# Altium PCB 28pins_Pcb.PcbDoc (part 2 of 2)
Units mm, origin at the board's own origin, x right, y up, seen from the top; angles counter-clockwise.
Board outline 68.58 x 53.34 mm, 2 copper layers (L1, L2), stack 1.671 mm thick; 105 components, 72 nets, 323 pads, 107 vias.
Unrouted connection lines stored in the file: 3.
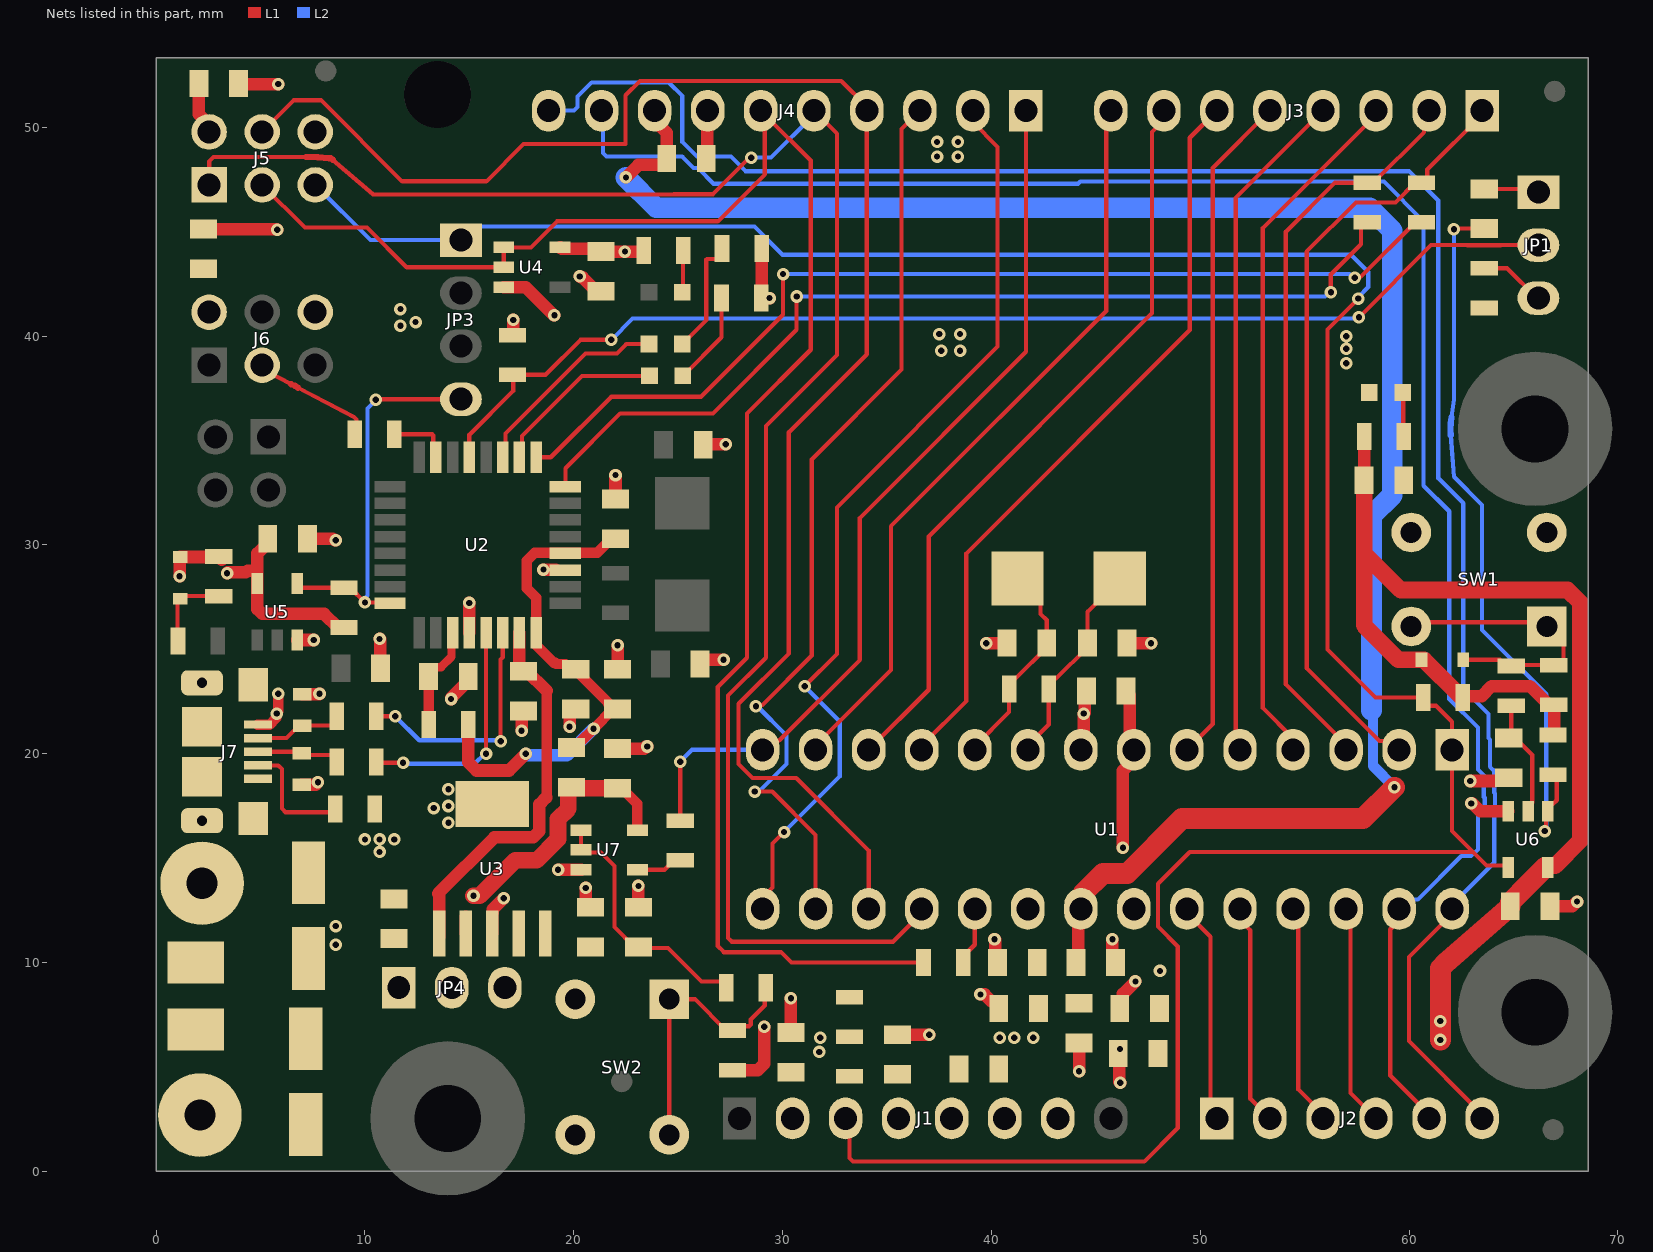
[diagram p2: the nets of this part, all layers, seen from the top]

## Via types
v1: diameter 0.6, hole 0.3, L1 to L2, tented both sides, 107 vias

## Nets (pads, with @x,y where several pads share a name; then routed paths per layer and width w, separated by ;. In a path a pad name is that pad's centre, name@x,y a point inside that pad or via, vN(x,y) a via of type N, cw(c..) or ccw(c..) an arc to the next point about the centre after c; other vN are vias at no path point) (continued)
16U2_RESETn: JP3.4 R4.1 U2.24 U5.4 | length 18.3
  L1 w0.2: U5.4@6.75,28.15 6.75,28.075 6.875,27.95 R4.1@8.439,27.95 ; R4.1@9,27.95 9.3,27.95 v1(10,27.25) 11.15,27.25 U2.24@11.2,27.2 ; v1(10.525,36.95) 10.575,36.95 10.605,36.98 JP3.4@14.6,36.98
  L2 w0.2: v1(10,27.25) 10.057,27.307 10.057,27.515 10.118,27.576 10.118,36.543 v1(10.525,36.95)
16U2_RX_LED: D4.1 U2.10 | length 8.4
  L1 w0.2: U2.10@17.4,34.2 17.525,34.325 17.525,35.225 20.4,38.1 D4.1@23.625,38.1
16U2_RXD: R11.1 U2.8 | length 46.1
  L1 w0.2: U2.8@19.6,32.8 19.6,33.675 22.225,36.3 26.669,36.3 30.675,40.306 v1(30.675,41.9) ; v1(56.26,42.103) 56.25,42.114 56.25,42.95 57.7,44.4 57.7,45.25 57.9,45.45 R11.1@58,45.45
  L2 w0.2: v1(30.675,41.9) 55.976,41.9 56.179,42.103 v1(56.26,42.103)
16U2_SCLK: J6.3 R5.2 | length 6
  L1 w0.2: J6.3@5.08,38.608 5.132,38.442 5.216,38.358 6.461,37.706 ; 6.477,37.699 6.634,37.628 ; 6.7,37.592 6.771,37.546 ; 6.795,37.532 9.48,36.126 9.6,36.006 9.6,35.8 R5.2@9.6,35.3
  L1 w0.3: 6.462,37.706 ccw(c6.6,37.972) 6.477,37.699 ; 6.634,37.628 cw(c6.428,37.172) 6.7,37.592 ; 6.771,37.546 ccw(c6.934,37.797) 6.794,37.532
16U2_SCLK_R: R5.1 U2.15 | length 2.7
  L1 w0.2: R5.1@11.5,35.3 13.224,35.3 13.275,35.249 U2.15@13.275,34.325
16U2_TX_LED: D3.1 U2.11 | length 9.8
  L1 w0.2: U2.11@16.6,34.2 16.725,34.325 16.725,35.332 20.568,39.175 22.069,39.175 22.519,39.625 D3.1@23.6,39.625
16U2_TXD: R10.1 U2.9 | length 48.3
  L1 w0.2: U2.9@18.2,34.2 18.9,34.2 21.8,37.1 26.1,37.1 30.025,41.025 v1(30.025,42.975) ; v1(57.4,42.8) 57.457,42.857 57.707,42.857 60.3,45.45 R10.1@60.6,45.45
  L2 w0.2: v1(30.025,42.975) 57.144,42.975 57.319,42.8 v1(57.4,42.8)
16U2PROG_328P_RESETn: JP1.2 R1.1 U2.13 | length 56.5
  L1 w0.2: U2.13@15,34.2 15,35.278 17.1,37.378 17.1,38.15 18.65,38.15 20.325,39.825 v1(21.8,39.825) ; v1(57.6,40.9) 61.06,44.36 62.795,44.36 62.805,44.35 64.395,44.35 64.405,44.36 JP1.2@66.2,44.36
  L2 w0.2: v1(21.8,39.825) 22.818,40.843 57.543,40.843 v1(57.6,40.9)
328P_16MHZ_XTAL1: C27.2 R16.1 U1.9 Y1.1 | length 10.1
  L1 w0.2: U1.9@41.745,20.193 41.745,20.393 42.75,21.398 R16.1@42.75,23.1 42.75,23.4 42.95,23.6 43.1,23.6 44.6,25.1 C27.2@44.6,25.3 44.6,26.8 46.15,28.35 Y1.1@46.15,28.4
328P_16MHZ_XTAL2: C25.2 R16.2 U1.10 Y1.2 | length 10.3
  L1 w0.2: U1.10@39.205,20.193 39.205,20.355 40.85,22 R16.2@40.85,23.1 40.85,23.4 41.05,23.6 41.15,23.6 42.65,25.1 C25.2@42.65,25.3 42.65,26.4 42.35,26.7 42.35,27.3 Y1.2@41.25,28.4
328P_AUTORESETn: C11.1 R18.1 U6.1 | length 35.1
  L1 w0.2: v1(62.15,45.125) 62.175,45.15 C11.1@63.6,45.15 ; v1(66.5,16.3) 66.557,16.357 66.557,17.157 U6.1@66.65,17.25 66.65,17.475 66.775,17.6 66.899,17.6 67.075,17.776 R18.1@67.075,18.95
  L2 w0.2: 62.001,35.258 62.15,33.269 63.5,31.919 63.5,25.925 66.575,22.85 66.575,16.375 v1(66.5,16.3) ; 62.03,36.129 62.15,36.973 v1(62.15,45.125)
  L2 w0.3: 62.001,35.258 cw(c66.04,35.56) 62.03,36.128
328P_BUF_RESETn: C32.2 R24.2 U6.2 | length 5.9
  L1 w0.2: R24.2@64.9,22.35 64.9,20.75 65.1,20.75 65.9,19.95 65.9,17.675 65.7,17.475 U6.2@65.7,17.025
328P_RESETn: J1.3 J5.5 JP3.1 R14.1 U1.1 U6.4 | length 134
  L1 w0.2: J1.3@33.02,2.54 33.2,2.36 33.2,0.651 33.376,0.475 47.325,0.475 48.926,2.076 48.926,10.774 47.975,11.725 47.975,13.775 49.5,15.3 63.063,15.3 ; v1(57.575,41.8) 56.1,40.325 56.1,25 58.4,22.7 R14.1@60.675,22.7 60.675,22.501 60.875,22.301 61.299,22.301 62.065,21.535 U1.1@62.065,20.193 62.065,16.298 63.063,15.3 ; U6.4@64.75,14.55 64.65,14.65 63.713,14.65 63.063,15.3
  L2 w0.2: J5.5@7.62,47.244 10.264,44.6 JP3.1@14.6,44.6 15.25,45.25 28.65,45.25 30,43.9 57.219,43.9 58.05,43.069 58.05,42.356 57.575,41.881 v1(57.575,41.8)
+3V3: C13.2 C16.2 J1.4 JP4.3 R28.2 U3.4 U3.5
+3V3_16U2_UCAP: C7.2 R26.1 U2.27 | length 5.1
  L1 w0.4: C7.2@13.05,23.7 13.05,23.9 13.3,24.15 13.65,24.15 14.148,24.648 14.148,25.748 U2.27@14.2,25.8
  L1 w0.5: R26.1@13.05,21.4 C7.2@13.05,23.7
+5V: C2.1 C6.2 C12.2 C14.2 J1.5 J8.1 JP4.1 L1.2 R27.1 U2.31 U3.1 U3.2 | length 19.3
  L1 w0.5: 18.675,17.925 18.7,17.95 18.7,23.025
  L1 w0.6: U3.1@13.56,11.25 13.56,13.252 13.506,13.306 16.2,16 18.057,16 18.35,16.293 18.35,17.575 18.675,17.9 18.675,17.925 ; U3.2@14.83,11.4 U3.2@14.83,12.2 ; U2.31@17.4,25.8 17.4,24.125 17.55,23.975 17.75,23.975 18.7,23.025
+5V/3V3: C8.2 C15.2 C17.2 C26.2 C28.2 C29.2 C30.2 C34.2 D5.1 D6.1 FB1.1 FB2.1 FB3.1 J1.2 J5.2 JP4.2 R1.2 R2.1 R3.1 R4.2 R14.2 R15.2 R17.1 R18.2 R19.2 R20.2 R21.2 R27.2 R28.1 U4.5 U5.5 U6.5 U7.5 | length 98.5
  L1 w0.5: C29.2@22.3,18.35 23.05,17.6 U7.5@23.05,16.35
  L1 w0.6: v1(1.125,28.5) 1.138,28.513 1.138,29.413 D5.1@1.15,29.425 2.975,29.425 R19.2@3,29.45 R19.2@3.15,29.3 ; C17.2@2.05,52.1 2.05,50.626 2.54,50.136 J5.2@2.54,49.784 ; v1(3.4,28.65) 3.438,28.688 4.292,28.688 4.379,28.775 4.85,28.775 ; C30.2@5.35,30.3 5.35,30.1 4.85,29.6 4.85,28.775 ; R4.2@9,26.05 8.7,26.05 8.05,26.7 5.084,26.7 4.85,26.934 U5.5@4.85,28.15 4.85,28.775 ; R1.2@17.1,40.05 v1(17.1,40.775) ; U4.5@19.35,44.25 19.425,44.175 21.175,44.175 C26.2@21.3,44.05 v1(22.45,44.05) 23.3,44.05 R15.2@23.35,44.1 ; R21.2@27.6,4.85 28.816,4.85 29.125,5.159 v1(29.125,6.925) ; R3.1@28.975,41.825 v1(29.375,41.825) ; R3.1@29,41.85 R2.1@29,44.2 ; v1(44.2,4.8) FB3.1@44.2,6.15 ; v1(46.162,5.863) 46.135,5.837 46.135,4.288 v1(46.173,4.25) ; C34.2@57.85,33.1 R17.1@57.85,35.2 ; 61.499,9.732 61.5,9.731 ; R14.2@62.625,22.756 63.474,22.756 63.959,23.241 65.784,23.241 66.579,22.446 66.579,22.417 66.621,22.375 66.95,22.375 R18.2@66.95,20.975
  L1 w0.8: v1(15.2,13.2) 15.492,13.2 16.277,13.985 16.285,13.985 17.198,14.898 18.228,14.898 19.25,15.92 19.25,16.874 19.74,17.363 19.74,18.35 C29.2@22.1,18.35 ; C34.2@57.85,33.1 57.85,29.601 ; R14.2@62.625,22.756 62.468,22.756 60.724,24.5 D6.1@60.6,24.5 59.5,24.5 57.85,26.15 57.85,29.601 ; U6.5@66.51,14.55 U6.5@66.65,14.55 66.75,14.65 67.006,14.65 68.2,15.844 68.2,27.249 67.599,27.849 59.602,27.849 57.85,29.601
  L1 w1: 61.499,9.732 61.756,9.989 C28.2@64.85,12.7 64.85,12.885 65.725,13.76 ; v1(61.5,6.3) v1(61.5,7.2) 61.5,9.731 ; 65.725,13.765 U6.5@66.51,14.55
  other v1: 31.76,5.723 31.8,6.4 11.7,40.5 12.425,40.675 11.7,41.3
+5V/3V3_16U2: C3.2 C4.2 C5.2 FB1.2 R26.2 U2.4 U2.32 | length 25.6
  L1 w0.5: FB1.2@19.85,20.275 20.05,20.275 20.3,20.525 20.3,20.55 v1(20.95,21.2) C3.2@21.9,22.15 ; C5.2@21.8,30.3 21.125,29.625 19.625,29.625 U2.4@19.6,29.6 19.575,29.625 18.126,29.625 17.75,29.249 17.75,27.928 18.2,27.478 U2.32@18.2,25.8 18.225,25.775 18.225,25.175 19.05,24.35 19.107,24.35 19.157,24.3 19.6,24.3 19.8,24.1 20,24.1 21.65,22.45 21.65,22.4 C3.2@21.9,22.15 ; C3.2@22.1,22.15 C3.2@21.9,22.15
  L1 w0.6: R26.2@14.95,21.4 14.95,19.594 15.344,19.2 16.9,19.2 v1(17.7,20)
  L2 w0.6: v1(17.7,20) 17.775,19.925 19.675,19.925 v1(20.95,21.2)
+5V/3V3_328P_AVCC: C22.2 C23.2 FB3.2 U1.20
+5V/3V3_328P_VCC: C19.2 C20.2 FB2.2 U1.7 | length 7.9
  L1 w0.6: v1(46.3,15.5) 46.3,19.197 46.825,19.722 U1.7@46.825,20.193 46.637,20.381 46.637,22.813 C20.2@46.45,23
  other v1: 48.075,9.6
+5V_USB: C1.1 J7.1 L1.1 | length 2.2
  L1 w0.5: J7.1@4.875,21.4 5.432,21.4 5.756,21.724 5.756,21.906 v1(5.775,21.925) 5.775,21.952 5.85,22.027 v1(5.85,22.875)
  other v1: 8.6,10.85 8.6,11.75
+AREF: C21.2 C24.2 J4.8 U1.21 | length 90.6
  L1 w0.6: v1(22.5,47.6) 23.1,48.2 24.35,48.2 24.45,48.3 24.45,49.75 23.9,50.3 23.9,50.776 J4.8@23.876,50.8 ; C24.2@44.05,10 44.167,10.118 U1.21@44.167,12.455
  L1 w1: U1.21@44.285,12.573 44.4,12.688 44.4,13.329 45.344,14.273 46.505,14.273 49.132,16.9 57.8,16.9 v1(59.3,18.4)
  L2 w0.5: 58.213,22.087 58.275,22.025 58.275,19.425 v1(59.3,18.4)
  L2 w1: v1(22.5,47.6) 23.95,46.15 58.1,46.15 59.2,45.05 59.2,32.4 58.2,31.4 58.2,22.1 58.213,22.087
AD0: J2.1 U1.23 | length 10.6
  L1 w0.2: U1.23@49.365,12.573 49.365,12.373 50.5,11.238 50.5,2.84 J2.1@50.8,2.54
AD1: J2.2 U1.24 | length 10.6
  L1 w0.2: U1.24@51.905,12.573 51.905,12.042 52.4,11.547 52.4,3.48 J2.2@53.34,2.54
AD2: J2.3 U1.25 | length 10.6
  L1 w0.2: U1.25@54.445,12.573 54.694,12.324 54.694,11.554 54.7,11.547 54.7,3.92 55.88,2.74 J2.3@55.88,2.54
AD3: J2.4 U1.26 | length 10.6
  L1 w0.2: U1.26@56.985,12.573 57.2,12.358 57.2,3.76 J2.4@58.42,2.54
AD4/SDA: J2.5 J4.9 U1.27 | length 90.1
  L1 w0.2: U1.27@59.525,12.573 59.525,12.021 59.1,11.596 59.1,4.6 60.96,2.74 J2.5@60.96,2.54
  L2 w0.2: J4.9@21.336,50.8 21.4,50.736 21.4,48.776 21.576,48.6 25.193,48.6 25.743,48.05 25.943,48.05 26.693,47.3 44.155,47.3 44.255,47.4 58.8,47.4 60.7,45.5 60.7,32.838 61.925,31.613 61.925,22.628 63.3,21.253 63.3,19.249 63.582,18.967 63.582,17.937 63.625,17.894 63.625,17.356 63.3,17.031 63.3,15.425 62.975,15.1 62.5,15.1 60.422,13.022 59.974,13.022 U1.27@59.525,12.573
AD5/SCL: J2.6 J4.10 U1.28 | length 95.3
  L1 w0.2: U1.28@62.065,12.573 62.065,12.335 60,10.27 60,6.24 63.5,2.74 J2.6@63.5,2.54
  L2 w0.2: J4.10@18.796,50.8 20.01,50.8 20.186,50.976 20.186,51.476 20.86,52.15 24.55,52.15 25.2,51.5 25.2,49.3 25.9,48.6 27.531,48.6 28.031,48.1 28.231,47.9 60,47.9 61.4,46.5 61.4,33.2 62.6,32 62.6,23.1 63.8,21.9 63.8,20.753 63.879,20.674 63.879,19.377 64.082,19.174 64.082,18.144 64.125,18.101 64.125,17.149 64.082,17.106 64.082,14.79 62.065,12.773 U1.28@62.065,12.573
BUTTON_RESETn: D6.2 R20.1 R24.1 SW1.1 SW1.2 | length 13.2
  L1 w0.2: SW1.2@60.9,26.3 67.4,26.3 67.4,24.45 67.2,24.25 64.6,24.25 64.35,24.5 D6.2@62.7,24.5
CON_N: R6.2 U2.30 | length 11.7
  L1 w0.2: R6.2@10.55,21.8 v1(11.45,21.8) ; v1(16.5,20.6) 16.5,24.52 16.6,24.62 U2.30@16.6,25.8
  L2 w0.2: v1(11.45,21.8) 12.6,20.65 16.45,20.65 v1(16.5,20.6)
CON_P: R7.2 U2.29 | length 11
  L1 w0.2: R7.2@10.8,19.575 v1(11.825,19.575) ; v1(15.8,20) U2.29@15.8,25.8
  L2 w0.2: v1(11.825,19.575) 11.875,19.525 15.244,19.525 15.719,20 v1(15.8,20)
CON_USB_N: J7.2 R6.1 Z1.2 | length 4.4
  L1 w0.2: J7.2@4.875,20.75 6.25,20.75 6.85,21.35 Z1.2@7,21.35 8.45,21.35 8.65,21.55 R6.1@8.65,21.8
CON_USB_P: J7.3 R7.1 Z2.2 | length 4.2
  L1 w0.2: J7.3@4.875,20.1 6.85,20.1 7,19.95 R7.1@8.45,19.95 ; R7.1@8.55,19.9 8.75,19.7 R7.1@8.75,19.45
GND: C1.2 C2.2 C3.1 C4.1 C5.1 C6.1 C7.1 C9.1 C10.1 C12.1 C13.1 C14.1 C15.1 C16.1 C17.1 C19.1 C20.1 C21.1 C22.1 C23.1 C24.1 C25.1 C26.1 C27.1 C28.1 C29.1 C30.1 C31.1 C32.1 C33.1 C34.1 D1.1 J1.6 J1.7 J4.7 J5.6 J6.6 J7.5 J7.6 J7.7 J7.8 J7.9 J7.10 J7.11 J9.1 R8.2 R12.1 SW1.3 SW1.4 SW2.3 SW2.4 U1.8 U1.22 U2.3 U2.28 U4.3 U5.3 U6.3 U7.3 Z1.1 Z2.1 | length 47.1
  L1 w0.6: C17.1@3.95,52.1 3.975,52.075 v1(5.85,52.075) ; U5.3@6.75,25.45 v1(7.55,25.45) ; Z2.1@6.975,18.525 7.635,18.525 v1(7.75,18.64) ; Z1.1@7,22.85 7.013,22.862 7.812,22.862 v1(7.825,22.875) ; C30.1@7.25,30.3 8.471,30.3 8.546,30.225 v1(8.6,30.225) ; v1(10.7,25.5) 10.725,25.475 10.725,24.125 C31.1@10.75,24.1 ; v1(14.125,22.625) 14.125,22.675 14.95,23.5 C7.1@14.95,23.7 ; U2.28@15,25.8 v1(15,27.225) ; U4.3@16.65,42.35 17.7,42.35 19.05,41 v1(19.075,41) ; v1(17.5,21.1) 17.5,22.025 C6.1@17.55,22.075 ; v1(18.55,28.825) U2.3@19.15,28.825 ; v1(19.25,14.45) U7.3@20.35,14.45 ; v1(19.8,21.3) C4.1@19.8,22.2 ; v1(20.292,42.859) 20.33,42.821 20.429,42.821 21.1,42.15 C26.1@21.3,42.15 ; v1(20.575,13.575) 20.575,12.875 C13.1@20.8,12.65 ; C5.1@22,32.2 v1(22,33.35) ; C29.1@22.1,20.25 23.371,20.25 23.471,20.35 v1(23.525,20.35) ; C3.1@22.1,24.05 v1(22.1,25.2) ; C33.1@23.1,12.65 v1(23.1,13.675) ; C10.1@26.05,24.3 26.25,24.5 v1(27.175,24.5) ; C9.1@26.2,34.8 26.225,34.825 v1(27.275,34.825) ; C21.1@26.35,48.5 26.383,48.533 26.383,50.767 J4.7@26.416,50.8 ; C15.1@30.4,6.65 v1(30.4,8.3) ; C16.1@35.5,6.55 v1(37.025,6.55) ; v1(39.475,8.475) 39.675,8.475 40,8.15 40.2,8.15 40.35,8 C22.1@40.35,7.8 ; v1(39.75,25.3) C25.1@40.75,25.3 ; v1(40.15,11.125) 40.188,11.087 40.188,10.112 C23.1@40.3,10 ; U1.8@44.285,20.193 44.425,20.333 v1(44.425,21.925) 44.463,21.963 44.463,22.913 C20.1@44.55,23 ; v1(45.8,11.125) 45.8,10.15 C24.1@45.95,10 ; C19.1@46.15,7.8 46.3,7.95 46.3,8.5 v1(46.9,9.1) ; C27.1@46.5,25.3 v1(47.65,25.3) ; v1(62.932,18.698) 64.074,18.698 64.076,18.7 64.625,18.7 C32.1@64.775,18.85 ; v1(62.975,17.625) 63.029,17.625 63.404,17.25 U6.3@64.75,17.25 ; C28.1@66.75,12.7 67.825,12.7 v1(68.05,12.925)
  other v1: 40.4,6.4 41.1,6.4 42,6.4 10.7,15.3 10,15.9 10.7,15.9 11.4,15.9 14,16.7 13.3,17.4 14,17.5 14,18.3 57,38.7 37.6,39.3 38.5,39.3 57,39.4 57,40 37.5,40.1 38.5,40.1 37.4,48.6 38.4,48.6 37.4,49.3 38.4,49.3
IO0: J3.1 R10.2 U1.2 | length 37.5
  L1 w0.2: U1.2@59.525,20.193 59.1,20.618 58.582,20.618 55.1,24.1 55.1,44.045 57.455,46.4 59.35,46.4 60.3,47.35 R10.2@60.62,47.35 ; R10.2@60.62,47.37 60.694,47.37 60.874,47.55 60.874,47.974 63.5,50.6 J3.1@63.5,50.8
IO1: J3.2 R11.2 U1.3 | length 35.7
  L1 w0.2: U1.3@56.985,20.193 56.985,20.442 54.1,23.327 54.1,45 56.45,47.35 58.3,47.35 60.711,49.761 60.711,50.551 J3.2@60.96,50.8
IO2: J3.3 U1.4 | length 33.5
  L1 w0.2: U1.4@54.445,20.193 54.445,20.745 53,22.19 53,45.18 58.42,50.6 J3.3@58.42,50.8
IO3: J3.4 U1.5 | length 32.4
  L1 w0.2: U1.5@51.905,20.193 51.7,20.398 51.7,46.62 J3.4@55.88,50.8
IO4: J3.5 U1.6 | length 32.3
  L1 w0.2: U1.6@49.365,20.193 50.6,21.428 50.6,48.06 J3.5@53.34,50.8
IO5: J3.6 U1.11 | length 36.5
  L1 w0.2: U1.11@36.665,20.193 36.665,20.393 38.8,22.528 38.8,29.6 49.5,40.3 49.5,49.5 J3.6@50.8,50.8
IO6: J3.7 U1.12 | length 36.5
  L1 w0.2: U1.12@34.125,20.193 37,23.068 37,30.4 47.7,41.1 47.7,49.774 48.26,50.334 J3.7@48.26,50.8
IO7: J3.8 U1.13 | length 36.5
  L1 w0.2: U1.13@31.585,20.193 31.585,20.393 35.2,24.008 35.2,30.9 45.5,41.2 45.5,50.58 J3.8@45.72,50.8
IO8: J4.1 R22.2 U1.14 | length 43
  L1 w0.2: R22.2@25.1,16.8 v1(25.1,19.625) ; U1.14@29.045,20.193 29.494,20.642 29.842,20.642 33.7,24.5 33.7,31.3 41.656,39.256 J4.1@41.656,50.8
  L2 w0.2: v1(25.1,19.625) 25.668,20.193 U1.14@29.045,20.193
IO9: J4.2 U1.15 | length 44.8
  L1 w0.2: U1.15@29.045,12.573 29.045,13.125 29.525,13.605 29.525,15.7 v1(30.075,16.25) ; v1(31.06,23.234) 32.6,24.774 32.6,31.8 40.3,39.5 40.3,49.064 39.116,50.248 J4.2@39.116,50.8
  L2 w0.2: v1(30.075,16.25) 32.735,18.91 32.735,21.559 v1(31.06,23.234)
MISO: J4.5 J5.1 U1.18 | length 84.9
  L1 w0.2: J5.1@2.54,47.244 2.543,47.944 2.543,48.368 2.75,48.575 7.183,48.575 ; 8.364,48.516 8.4,48.5 8.456,48.452 10.394,46.791 24.791,46.791 24.8,46.8 26.669,46.8 28.419,48.55 v1(28.5,48.55) ; J4.5@31.496,50.8 32.6,49.696 32.6,39.1 29.2,35.7 29.2,24.6 27.395,22.795 27.395,11.176 27.571,11 35.292,11 36.665,12.373 U1.18@36.665,12.573
  L1 w0.3: 7.183,48.575 cw(c7.231,37.759) 8.29,48.523 cw(c7.231,37.759) 8.364,48.516
  L2 w0.2: v1(28.5,48.55) 29.446,48.55 31.496,50.6 J4.5@31.496,50.8
MOSI: J4.4 J5.4 U1.17 | length 79.8
  L1 w0.2: J5.4@5.08,49.784 6.596,51.3 7.9,51.3 11.785,47.415 15.815,47.415 17.6,49.2 22.475,49.2 22.475,50.113 22.486,50.124 22.486,51.536 23.175,52.225 32.811,52.225 34.036,51 34.036,39.136 30.3,35.4 30.3,24.8 27.895,22.395 27.895,19.517 28.569,18.843 30.657,18.843 34.125,15.375 U1.17@34.125,12.573
NetC8_1: C8.1 J6.2 | length 3.5
  L1 w0.6: C8.1@2.275,45.125 5.775,45.125 v1(5.8,45.1)
NetC11_2: C11.2 JP1.1 | length 2.7
  L1 w0.2: C11.2@63.6,47.05 66.05,47.05 JP1.1@66.2,46.9
NetD1_2: D1.2 R17.2 | length 2.1
  L1 w0.2: D1.2@59.7,37.3 59.725,37.275 59.725,35.225 R17.2@59.75,35.2
NetD2_2: D2.2 R15.1 | length 2
  L1 w0.2: D2.2@25.2,42.1 25.225,42.125 25.225,44.075 R15.1@25.25,44.1
NetD3_2: D3.2 R2.2 | length 5.6
  L1 w0.2: D3.2@25.2,39.625 26.35,40.775 26.35,43.675 26.375,43.7 26.875,43.7 27.075,43.9 R2.2@27.075,44.2
NetD4_2: D4.2 R3.2 | length 4.5
  L1 w0.2: D4.2@25.225,38.1 27.075,39.95 R3.2@27.075,41.825
NetD5_2: D5.2 R19.1 R23.1 | length 4
  L1 w0.2: D5.2@1,27.4 1.025,27.375 1.025,25.425 R23.1@1.05,25.4 ; D5.2@1.064,27.4 1.214,27.55 R19.1@3,27.55
NetJ7_4: J7.4 R8.1 | length 5.8
  L1 w0.2: J7.4@4.882,19.443 5.849,19.443 6.025,19.267 6.025,17.376 6.201,17.2 R8.1@8.65,17.2
NetJP1_3: JP1.3 R12.2 | length 3.2
  L1 w0.2: R12.2@63.6,43.25 64.7,43.25 66.13,41.82 JP1.3@66.2,41.82
NetR22_1: R22.1 U7.4 | length 2.2
  L1 w0.2: U7.4@23.05,14.45 24.35,14.45 24.8,14.9 R22.1@25.1,14.9
NetU3_3: U3.3 U3.6 | length 1.9
  L1 w0.6: U3.3@16.1,11.4 16.1,12.376 16.112,12.388 16.112,12.547 v1(16.65,13.085)
SCK: J4.6 J5.3 R13.2 U4.1 U4.2 | length 83.8
  L1 w0.2: J5.3@5.08,47.244 7.124,45.2 10.1,45.2 12,43.3 U4.2@16.65,43.3 U4.1@16.65,44.25 17.95,44.25 19.2,45.5 26.9,45.5 29.15,47.75 J4.6@29.15,50.439 ; J4.6@28.956,50.8 29.233,50.523 31.35,48.406 31.35,39.35 28.3,36.3 28.3,24.6 26.895,23.195 26.895,10.793 27.188,10.5 29.925,10.5 30.425,10 R13.2@36.75,10
SCK_R: R13.1 U1.19 | length 2.8
  L1 w0.2: R13.1@38.65,10 38.65,10.3 39.205,10.855 U1.19@39.205,12.573
SS: J4.3 U1.16 | length 44.7
  L1 w0.2: v1(28.675,18.193) 29.507,18.193 31.585,16.115 U1.16@31.585,12.573 ; v1(28.725,22.275) 28.782,22.332 29.032,22.332 31.4,24.7 31.4,34.1 35.7,38.4 35.7,49.924 J4.3@36.576,50.8
  L2 w0.2: v1(28.675,18.193) 28.732,18.25 28.929,18.25 30.195,19.517 30.195,20.869 28.789,22.275 v1(28.725,22.275)
USER_BUTTON: R21.1 R25.1 SW2.1 SW2.2 | length 12.8
  L1 w0.2: SW2.2@24.575,1.75 SW2.1@24.575,8.25 25.8,8.25 R21.1@27.3,6.75 ; R21.1@27.6,6.75 27.8,6.95 28.387,6.95 28.475,7.038 28.475,7.276 29.149,7.95 29.149,8.651 R25.1@29.1,8.7
USER_BUTTON_BUF: C33.2 R25.2 U7.1 U7.2 | length 12.4
  L1 w0.2: U7.1@20.35,16.35 U7.2@20.35,15.4 20.475,15.275 21.3,15.275 21.95,14.625 21.95,11.7 22.9,10.75 C33.2@23.1,10.75 23.149,10.701 24.519,10.701 26.12,9.1 27.1,9.1 27.3,8.9 R25.2@27.3,8.8
pads on no net: D2.1 FID1.1 FID2.1 FID3.1 FID4.1 J1.1 J1.8 MH1.1 MH2.1 MH3.1 MH4.1 U2.5 U2.6 U2.7 U2.12 U2.14 U2.22 U2.23 U2.25 U2.26 U4.4

## Polygon pours and split planes (outlines as drawn)
GND on L2 "GND_L02_P012" (solid, pour order 12): 0.25,51.281 0.35,51.181 3.76,51.181 3.76,24.181 5.65,24.181 5.65,23.581 5.75,23.481 7.55,23.481 7.55,19.081 7.5,19.031 7.5,18.231 7.6,18.231 7.85,17.981 7.95,18.081 8.75,18.081 8.75,13.981 8.85,14.081 15.35,14.081 15.35,13.781 16.55,12.581 16.75,12.781 18.15,12.781 18.65,13.281 24.35,13.281 24.35,13.081 29.55,7.881 35.35,7.881 35.35,7.407 36.676,6.081 41.2,5.981 41.8,5.981 42.01,5.981 44.25,5.981 44.25,6.181 44.65,6.581 47.45,6.581 48.75,7.881 48.85,7.781 62.25,7.781 62.65,7.381 62.65,0.381 68.25,0.381 68.45,0.581 68.45,13.781 63.75,13.781 63.05,13.081 63.05,11.181 58.65,11.181 58.65,14.481 59.75,15.581 62.95,15.581 62.95,16.981 63.491,17.522 63.491,19.031 60.7,19.031 59.25,17.581 57.796,18.9 55.95,18.9 55.95,38.4 57.45,38.4 57.45,39.6 57.45,40.181 57.45,40.481 37.15,40.481 36.75,40.081 36.55,40.281 23.15,40.281 21.85,38.981 20.75,40.081 20.75,43.481 20.134,43.481 19.95,43.296 19.95,42.581 19.876,42.581 18.616,41.321 18.75,41.187 18.75,37.781 18.55,37.581 18.45,37.681 10.853,37.681 10.647,53.081 0.25,53.081 0.25,51.181
+5V/3V3 on L2 "+5V/3V3_L02_P009" (solid, pour order 9): 16,44.7 16,43.5 11.1,43.5 11.1,38.2 11.4,37.9 18.3,37.9 18.8,38.4 18.7,38.5 18.7,41.7 19,41.7 19.9,42.6 19.9,43.5 20.7,43.5 21,43.2 21,40.2 21.5,40.2 22.6,41.3 30,41.3 30,42.3 27.5,44.8 27.4,44.7
GND on L2 "GND_L02_P010" (solid, pour order 10): 68.3,53.1 68.3,49.2 67.4,48.3 25.6,48.3 25.6,53 25.5,53.1
+5V/3V3 on L2 "+5V/3V3_L02_P008" (solid, pour order 8): 0.2,6.4 8.853,8.841 11.12,10.1 7.9,10.1 13.2,10.1 13.2,7.8 15,7.8 15,10.4 15.1,10.5 21.6,10.5 22.7,9.4 25.8,9.4 25.8,7 27.4,5.4 36.2,5.4 37.6,4 39.8,4 39.8,0.4 62.6,0.4 62.8,0.6 62.3,1.1 62.3,7.6 48.7,7.6 47.2,6.1 47,6.3 44.5,6.3 43.9,5.7 41,5.7 36.5,6.1 36.5,6.2 34.8,7.9 29.5,7.9 24.3,13.1 18.6,13.1 18.1,12.6 16.5,12.6 15.3,13.8 9.3,13.8 9.3,10.3 8.1,10.3 8.1,11.7 6.6,13.2 6.6,17.4 5.1,18.9 5.1,51 0.2,51 0.2,7.4
+3V3 on L2 "+3V3_L02_P002" (solid, pour order 2): 15.9,7.8 19.3,7.8 22.6,4.5 25.8,4.5 26.1,4.5 28,2.7 34.7,2.7 34.7,1.6 34.8,1.5 36.4,1.5 36.4,5 27.4,5 25.3,7.1 23.5,7.1 23.5,8.1 21.325,10.275 15.9,10.275
+5V on L2 "+5V_L02_P001" (solid, pour order 1): -0.056,0.2 0.244,0.5 0.244,5.932 12.644,9.9 12.644,7.7 19.144,7.7 22.144,4.7 22.344,4.5 25.844,4.5 25.944,4.5 26.744,3.8 26.744,1.4 36.844,1.4 36.844,3.8 39.044,3.8 39.244,3.6 39.244,0.4 0.244,0.4
+5V/3V3_328P_VCC on L2 "+5V/3V3_328P_VCC_L02_P000" (solid, pour order 0): 46,15.1 46,15.794 45.935,15.859 45.976,15.9 50.7,15.9 50.7,9.2 50.5,9 50.409,9.091 47.735,9.091 47.735,13.565 46.1,15.2 45.9,15.2
+5V_USB on L2 "+5V_USB_L02_P005" (solid, pour order 5): 5.4,23.4 5.4,19.1 7,17.5 7,13.2 8.3,11.9 8.3,10.5 9,10.5 9,12.3 8.6,12.7 8.6,17.9 7.6,17.9 7.3,18.6 7.3,23.4
GND on L1 "GND_L01_P027" (solid, pour order 27): 0.4,11.4 0.5,11.5 5.6,11.5 5.6,11.6 6.5,12.5 9.2,12.5 9.2,8.2 9.1,8.1 6.1,8.1 6.1,4.7 9,4.7 9,0.5 9.1,0.4 21.2,0.4 21.2,9.4 18.8,9.4 18.8,7.5 18.7,7.4 18.6,7.5 10.5,7.5 10.5,12.4 12.6,12.4 12.6,14.5 14.6,16.5 17.9,16.5 17.9,18.7 17.8,18.8 17.7,18.7 11.6,18.7 11,18.1 9,18.1 8.1,19 7.4,19 7.4,18.1 7.5,18 7.6,18.1 9,18.1 9,16.8 8.8,16.6 5.8,16.6 5.8,19 5.7,19.1 3.9,19.1 3.9,22.4 4,22.5 5.3,22.5 5.3,24.5 5.2,24.6 5.1,24.5 0.3,24.5 0.2,24.4 0.2,11.6 0.3,11.6 0.4,11.5
GND on L1 "GND_L01_P025" (solid, pour order 25): 64.4,41.8 64.4,39.7 64.8,39.3 68.2,39.3 68.2,29.7 67.9,29.6 67.7,29.6 59.1,29.6 59.2,36.7 58.7,36.7 58.6,36.6 57.5,36.6 57.5,38.4 56.6,38.4 56.6,40.4 61.6,40.4 63,41.8 61.6,40.4 63,41.8
GND on L1 "GND_L01_P026" (solid, pour order 26): 39.078,49.8 39.235,39 36.9,39 36.9,49.8
+5V/3V3_328P_VCC on L1 "+5V/3V3_328P_VCC_L01_P024" (solid, pour order 24): 48.4,10 48.6,9.8 48.6,4.8 47.6,4.8 47.5,4.9 47.5,10 47.9,10
+5V/3V3_328P_AVCC on L1 "+5V/3V3_328P_AVCC_L01_P023" (solid, pour order 23): 41.1,13.6 41.081,13.6 42.7,13.6 42.7,9.2 43.3,8.6 45,8.6 45,7 44.9,7.1 41.7,7.1 41.7,10.7 40.8,11.6 40.8,13.6 41.3,13.6
GND on L1 "GND_L01_P022" (solid, pour order 22): 39.8,1.5 44.3,1.5 44.3,3.3 42.3,5.3 42.3,6.7 39.8,6.7
+5V on L1 "+5V_L01_P021" (solid, pour order 21): 32.5,8.7 32.5,7.8 36.7,7.8 37.7,6.8 37.7,4.2 37.6,4.2 37.3,3.9 37.3,1.5 39,1.5 39.2,1.7 38.9,2 38.9,7.8 38,8.7
+3V3 on L1 "+3V3_L01_P019" (solid, pour order 19): 36.4,1.5 36.4,5.2 32.4,5.2 32.4,4.1 34.4,4.1 34.4,1.5 34.7,1.5
+5V/3V3 on L1 "+5V/3V3_L01_P018" (solid, pour order 18): 29.7,1.5 29.7,5.3 30.9,5.3 31.4,5.8 31.4,6.9 34,6.9 34,5.9 32.8,5.9 31.4,4.5 31.4,1.5
+5V/3V3 on L1 "+5V/3V3_L01_P017" (solid, pour order 17): 1.6,40.2 3.3,40.2 3.5,40.4 3.5,42.3 8.1,42.3 8.9,41.5 8.9,40.199 13.1,40.171 13.1,42.4 10,42.4 8.5,44 8.6,44 1.6,44
+5V on L1 "+5V_L01_P016" (solid, pour order 16): 10.8,7.8 12.5,7.8 12.6,7.7 12.6,10.3 15.2,10.3 15.2,12.5 15.1,12.5 13.2,12.5 13.2,11.7 13.1,11.6 10.7,11.6 10.7,7.9
+3V3 on L1 "+3V3_L01_P015" (solid, pour order 15): 15.9,7.8 18.5,7.8 18.5,9.6 18.6,9.6 18.7,9.6 21.5,9.6 21.5,11.3 21.3,11.5 19,11.5 19,12.6 18.7,12.6 17,12.6 17,10.3 16.6,9.9 15.9,9.9 15.9,7.9
+5V_USB on L1 "+5V_USB_L01_P014" (solid, pour order 14): 0.4,8.7 9,8.7 9.1,8.8 8.9,9 8.9,12.3 8.2,12.3 8,12.1 8,11.9 6.5,11.9 5.7,11.1 0.4,11.1
+5V on L1 "+5V_L01_P013" (solid, pour order 13): 3.7,7.5 3.7,4.1 4.1,3.7 8.3,3.7 8.3,0.2 8,0.5 0.3,0.5 0.3,7.5

## Silkscreen, mask and mechanical layers (free items; w line width, h text height)
Top Overlay:
  text "ICSP1" at 4.064,42.807 h1
  text "T" at 26.454,39.2 h1
  text "R" at 26.454,37.7 h1
  text "3" at 0.508,34.578 h1
  text "2" at 7.154,32.4 h1
  text "4" at 0.354,32.2 h1
  text "RESET" at 58.8,26.254 h1 r90
  text "10" at 39.8,22.154 h1 r90
  text "5" at 51.638,22.055 h1
  text "14" at 25.806,20.836 h1
  text "15" at 28.597,10.167 h0.8
  text "25" at 53.746,9.94 h1
  text "USER" at 18.9,3.154 h1 r90
Mechanical Drawing:
  circle w1: c66.04,35.56 r1.6
  circle w1: c66.04,7.62 r1.6
  circle w1: c13.97,2.54 r1.6
  circle w1: c13.475,51.575 r1.6
  lines w1: -0.1,-0.1 68.6,-0.1 68.6,53.4 -0.1,53.4 -0.1,-0.1
  text "Mechanical Drawing" at 20.182,64.51 h2
  text "Units : mils" at -26.8,-6 h2
Manufecturing Notes:
  text "PCB MANUFACTURING NOTES" at 73.2,46.5 h2
  text "1. MATERIAL: FR-4, Tg150 OR EQUIVALENT" at 72.8,42.167 h1
  text "2. BOARD THICKNESS: 1.6 mm" at 72.8,39.5 h1
  text "3. COPPER WEIGHT: 1 oz (35 µm)" at 72.8,37.083 h1
  text "4. SURFACE FINISH: HASL LEAD-FREE" at 72.8,34.5 h1
  text "5. SOLDER MASK COLOR: GREEN" at 72.8,32 h1
  text "6. SILKSCREEN COLOR: WHITE" at 72.8,29.5 h1
  text "7. ALL DIMENSIONS ARE IN mm" at 72.8,27 h1
  text "8. ALL HOLES ARE PLATED THROUGH UNLESS OTHERWISE SPECIFIED" at 72.8,24.5 h1
  text "9. FABRICATE PER IPC-6012 CLASS 2" at 72.8,22 h1
  text "10. REMOVE ALL BURRS AND SHARP EDGES" at 72.8,19.5 h1
  text "11. MINIMUM TRACE/WIDTH SPACING: 6/6 mil" at 72.8,17 h1
  text "12. MINIMUM VIA DRILL: 0.30 mm" at 72.8,14.5 h1
Board outline layer:
  lines w0.2: 0.051,0 0.051,53.238 68.504,53.238 68.504,0 0.051,0
ASM TOP:
  text "Assembly TOP of 28Pins" at 26.054,60.867 h1

## Dimensions
-0.1,-0.1 to 68.6,-0.1 on Mechanical Drawing
-0.1,-0.1 to -0.1,53.4 on Mechanical Drawing

## Text inside footprints (layer, text, board x,y; h text height)
J1: Top Overlay "1" at 28.702,0.254 h1.52 r90
J2: Top Overlay "1" at 51.562,0.254 h1.52 r90
J3: Top Overlay "1" at 62.738,53.086 h1.52 r270
J4: Top Overlay "1" at 40.894,53.086 h1.52 r270
J5: Top Overlay "1" at 0.178,46.558 h1.52
J6: Top Overlay "1" at 0.406,37.795 h1.52
JP1: Top Overlay "1" at 62.049,47.012 h0.5
JP2: Top Overlay "1" at 7.214,34.544 h1.52
JP3: Top Overlay "1" at 12.314,43.838 h1.52
JP4: Top Overlay "1" at 12.382,6.514 h1.52 r90